# Allegro board RK3588S_Tablet_Demo_LP4XD200P232SD10H2_V11_20220218.brd (continued)
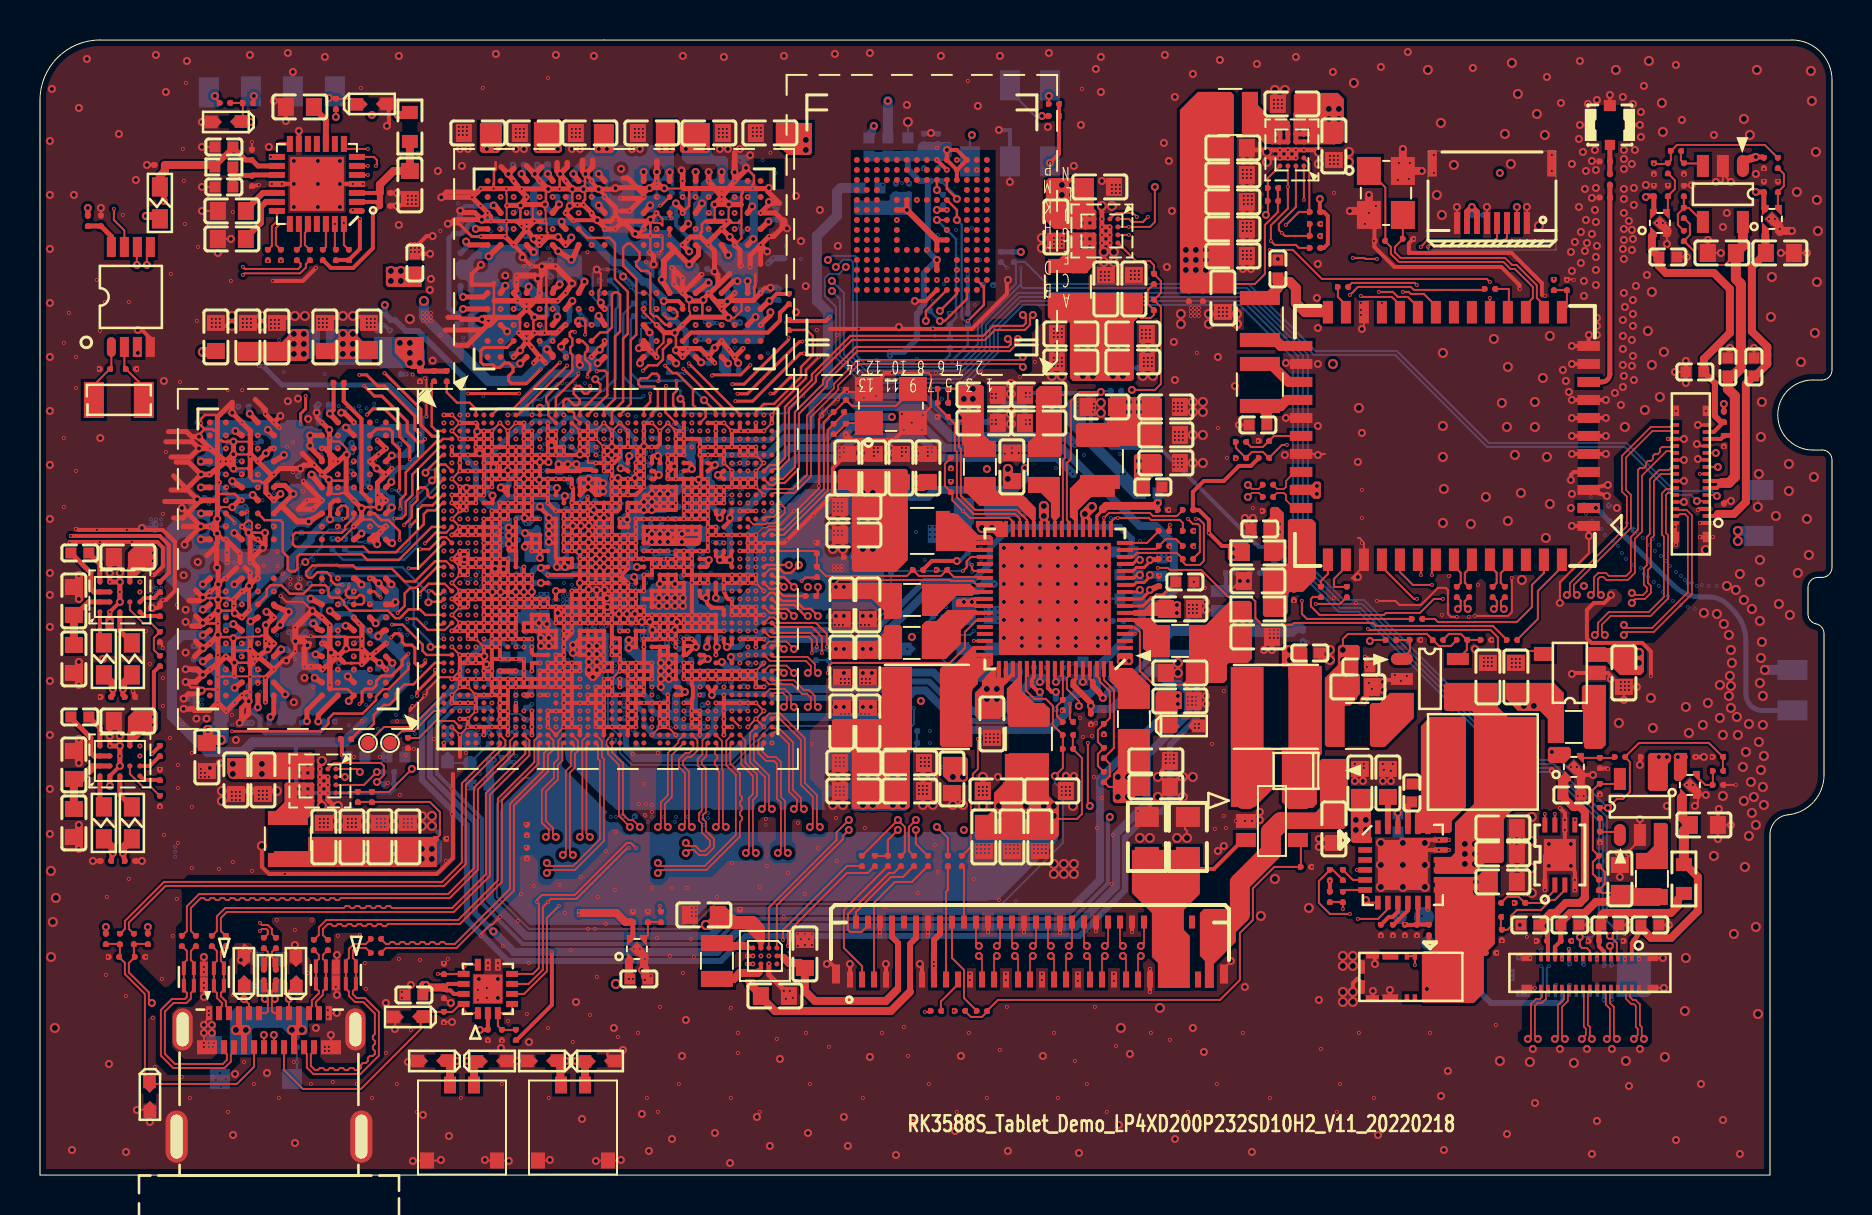
[diagram p0: board, top side]
## Routing (per net, layer and track width the routed paths; a pad name or vN(x,y) marks a point on that pad's centre or on a via; arc(x,y) is an arc through that point) (continued)
  TOP w0.203: v6(20.99,24.8) v6(21.39,24.8) 21.46,24.8 ; v6(20.99,24.8) v1(20.59,24.8) ; v6(20.99,24.8) v1(20.99,25.2) 20.99,25.56 ; v6(20.99,24.8) v6(20.99,24.4) v1(21.39,24.4) 21.39,24.74 21.46,24.8 ; v6(21.39,27.2) v6(20.99,27.2) ; v6(21.39,27.2) 21.39,26.81 v1(21.4,26.81) 21.79,26.81 ; v6(21.39,27.2) v6(21.39,27.6) ; v6(21.39,27.2) v6(21.79,27.2) ; v6(20.99,27.2) v6(20.59,27.2) ; v6(20.99,27.2) v6(20.99,27.6) v6(21.39,27.6) ; 22.99,35.2 22.59,35.2 ; 22.99,35.2 23.39,35.2 ; 22.99,35.2 v1(22.99,34.8) ; 22.99,35.2 v1(22.99,35.6) ; 22.99,35.2 23.01,35.21 ; 22.59,35.2 22.2,35.2 ; 22.59,35.2 v1(22.59,34.8) ; 22.59,35.2 22.59,35.6 ; 28.59,32.8 28.59,32.8 28.19,32.8 ; 28.59,32.8 28.59,32.42 ; 28.59,32.8 v6(28.59,33.2) ; v1(28.59,32) v1(28.19,32) ; v1(28.59,32) 28.6,32 28.6,31.6 ; v1(28.59,32) v6(28.99,32) ; v1(28.59,32) 28.59,32.42 ; v1(28.19,32) v1(27.79,32) ; v1(28.19,32) v6(28.19,31.6) ; v1(28.19,32) v6(28.19,32.4) ; v6(26.99,31.6) 26.97,31.58 v5(26.97,31.17) ; v6(26.99,31.6) v6(26.59,31.6) ; v6(26.99,31.6) v1(26.99,32) ; v6(26.99,31.6) 27.4,31.6 ; v1(28.19,28) 28.19,28.4 ; v1(28.19,28) v1(28.55,28) 28.59,28.05 ; v1(28.19,28) v1(28.19,27.6) ; v1(28.19,28) v6(27.79,28) ; 28.19,28.4 28.19,28.8 ; 28.19,28.4 v1(27.79,28.4) ; 28.19,28.4 28.37,28.4 v5(28.37,28.41) 28.37,28.4 U1000.AE22 ; v1(29.79,28.4) 29.82,28.38 29.82,28.05 29.79,28.05 ; v1(29.79,28.4) v1(30.19,28.4) v6(30.19,28) ; v1(29.79,28.4) v1(29.39,28.4) ; v1(29.79,28.4) v6(29.79,28.8) ; v6(28.59,29.6) v6(28.59,29.2) ; v6(28.59,29.6) v1(28.19,29.6) ; v6(28.59,29.6) v6(28.59,30) ; v6(28.59,29.6) v1(28.99,29.6) ; v6(28.59,29.2) v6(28.99,29.2) ; v6(28.59,29.2) U1000.AD22 ; v6(28.59,29.2) 28.28,29.2 v5(28.24,29.25) ; v6(28.99,34.4) 28.99,34.64 28.9,34.73 28.89,34.8 ; v6(28.99,34.4) v6(28.59,34.4) ; v6(28.99,34.4) 29.33,34.4 ; v6(28.99,34.4) v6(28.99,34) ; v6(28.99,27.6) v1(28.59,27.6) ; v6(28.99,27.6) v6(29.39,27.6) ; v6(28.99,27.6) 28.99,28.04 29,28.05 28.99,28.05 ; v1(28.59,27.6) 28.59,28.05 ; v1(28.59,27.6) 28.59,26.88 ; v1(28.59,27.6) v1(28.19,27.6) ; v1(28.99,26) v6(28.59,26) v6(28.59,26.4) ; v1(28.99,26) v1(28.99,25.6) v1(28.99,25.2) ; v1(28.99,26) 28.99,26.4 ; v5(23.79,29.15) 23.72,29.14 ; v5(23.79,29.15) 23.71,29.24 23.79,29.32 v1(23.79,29.6) ; v5(23.79,29.15) 23.67,29.19 23.63,29.15 23.39,29.15 ; 23.72,29.14 23.79,29.07 v1(23.79,28.8) ; 23.72,29.14 24.08,29.14 ; v6(27.39,37.6) v6(27.39,37.2) ; v6(27.39,37.2) v6(26.99,37.2) v6(26.99,36.8) ; v6(27.39,37.2) v6(27.39,36.8) ; v6(27.39,37.2) v1(27.79,37.2) 27.79,36.88 27.72,36.8 v6(27.39,36.8) ; v1(22.99,28.8) 22.59,28.8 ; v1(22.99,28.8) 22.99,29.12 ; v1(22.99,28.8) v1(22.99,28.4) ; v1(22.99,28.8) v1(23.39,28.8) ; 22.59,28.8 22.59,29.12 ; 22.59,28.8 v1(22.59,28.4) ; 22.59,28.8 v1(22.19,28.8) ; v1(28.19,36) 28.57,36 v5(28.57,36) ; v1(28.19,36) v1(28.19,35.6) ; v1(28.19,36) v1(28.19,36.4) 28.59,36.4 ; v6(28.19,22.4) v6(28.19,22.8) ; v6(28.19,22.4) v6(28.59,22.4) v1(28.99,22.4) v6(29.39,22.4) ; v6(28.19,22.4) v6(27.79,22.4) v6(27.79,22.8) ; v6(28.19,22.4) U1000.BA21 ; v6(28.19,22.8) v6(27.79,22.8) ; v6(28.19,22.8) v6(28.19,23.2) ; 24.6,35.2 24.98,35.2 24.99,35.21 ; 24.6,35.2 v1(24.59,35.2) v1(24.19,35.2) ; 24.6,35.2 24.6,35.61 ; 24.6,35.2 24.6,34.8 ; 22.59,36.4 v1(22.59,36.4) v1(22.59,36.8) ; 22.59,36.4 v1(22.59,36) ; 22.59,36.4 22.19,36.4 ; v6(33.39,31.2) v9(32.99,31.2) v1(32.59,31.2) ; v6(33.79,37.6) v6(33.79,37.2) 33.8,37.2 v1(33.8,36.82) 33.79,36.82 v6(33.79,36.4) ; v6(33.79,37.6) v6(34.19,37.6) ; v6(33.79,37.6) U1000.B34 ; v6(24.59,22) v6(24.59,22.4) U1000.AW12 v1(24.59,23.2) ; 32.13,27.2 31.79,27.2 ; 32.13,27.2 32.19,27.27 v1(32.19,27.6) ; 32.13,27.2 32.64,27.2 ; 31.79,27.2 v1(31.79,26.8) ; 31.79,27.2 U1000.AH29 ; 31.79,27.2 v5(31.74,27.25) 31.79,27.25 ; 31.79,27.2 31.82,27.23 31.79,27.25 ; 31.79,27.2 31.79,27.25 ; v1(24.2,35.6) v1(23.79,35.6) ; v1(24.2,35.6) v6(24.59,35.6) 24.6,35.61 ; v1(24.2,35.6) 24.2,35.21 v1(24.19,35.2) ; v1(24.2,35.6) v6(24.2,36.03) ; v1(23.79,35.6) v1(23.39,35.6) ; v1(23.79,35.6) 23.79,35.2 ; v1(23.79,35.6) v1(23.79,36) ; v6(26.99,32.8) 26.99,32.45 27.02,32.42 ; v6(26.99,32.8) v1(26.99,33.2) ; v6(26.99,32.8) v6(26.59,32.8) ; v6(26.99,32.8) v6(27.39,32.8) ; v6(32.99,33.2) v6(32.99,33.6) ; v6(32.99,33.2) v6(32.99,32.8) ; v6(32.99,33.2) v6(33.39,33.2) v1(33.39,33.6) ; v6(32.99,33.6) v1(33.39,33.6) ; v6(32.99,33.6) v1(32.99,34) ; v6(29.39,27.6) v1(29.79,27.6) ; v6(29.39,27.6) 29.39,28.01 29.41,28.03 ; v1(22.19,28.8) U1000.AD5 ; v1(22.19,28.8) v6(22.19,28.4) ; v1(22.19,28.8) v6(22.19,29.2) ; U1000.AD5 v6(21.79,29.2) ; U1000.AD5 v6(21.78,28.79) v6(21.41,28.79) ; v1(32.59,34.4) v6(32.59,34) v1(32.99,34) ; v1(32.59,34.4) v6(32.19,34.4) 32.19,34.79 32.18,34.8 ; v1(32.59,34.4) v1(32.99,34.4) ; v1(22.59,36) 22.59,35.6 ; v1(22.59,36) 22.19,36 ; v1(22.59,36) v1(22.99,36) ; v6(21.79,30.8) 22.19,30.8 ; v6(21.79,30.8) 21.39,30.8 ; v6(21.79,30.8) v1(21.79,30.4) ; 22.19,30.8 v6(22.19,30.4) ; 22.19,30.8 v6(22.59,30.8) ; 22.19,30.8 22.22,30.77 ; 22.19,30.8 v6(22.19,31.2) ; v5(24.96,34.76) 24.99,34.79 ; v5(24.96,34.76) 24.92,34.8 24.6,34.8 ; v5(24.96,34.76) 24.99,34.73 v1(24.99,34.4) ; 24.99,34.79 25,34.8 v1(25.39,34.8) ; 24.99,34.79 24.99,35.21 ; v1(28.59,35.2) v6(28.19,35.2) v1(28.19,35.6) ; v1(28.59,35.2) v1(28.59,34.8) ; v1(28.59,35.2) v1(28.59,35.6) ; v6(29.39,36.4) v1(29.79,36.4) ; v6(29.39,36.4) 29.39,36.46 ; v6(29.39,36.4) 29.33,36.4 ; v1(29.79,36.4) 29.87,36.33 v6(29.87,35.98) ; v1(29.79,36.4) 30.17,36.4 30.19,36.43 ; 30.58,27.64 30.59,27.6 ; 30.58,27.64 30.58,27.6 ; 30.58,27.64 v5(30.49,27.65) 30.58,27.6 ; 30.59,27.6 v6(30.99,27.6) ; 30.59,27.6 v6(30.59,28) ; 30.59,27.6 30.59,27.27 ; 30.59,27.6 30.58,27.6 ; v6(33.39,32.8) v6(32.99,32.8) ; v6(32.99,32.8) v1(32.59,32.8) v1(32.19,32.8) v1(31.79,32.8) v1(31.39,32.8) v1(30.99,32.8) v1(30.59,32.8) v1(30.19,32.8) v1(29.79,32.8) v6(29.79,32.4) v1(29.79,32) ; v6(22.19,28.4) v1(22.19,28) ; v6(22.19,28.4) v1(22.59,28.4) ; v1(33.79,25.2) v1(33.79,24.8) v1(33.39,24.8) v1(33.39,25.2) v1(33.79,25.2) ; v1(33.79,25.2) v6(34.59,25.2) ; 24.59,29.24 24.58,29.24 24.54,29.2 ; 24.59,29.24 v5(24.59,29.15) ; 24.59,29.24 v1(24.59,29.6) ; 24.59,29.24 24.59,29.03 24.53,29.09 ; 30.19,36.43 v6(30.19,36.8) v6(30.19,37.2) v6(30.19,37.6) v1(30.59,37.6) ; 30.19,36.43 v6(30.19,35.98) ; 30.19,36.43 v5(30.2,36.43) 30.23,36.4 v1(30.59,36.4) 30.84,36.4 30.99,36.55 v6(30.99,37.2) ; v1(25.39,36) v1(24.99,36) ; v1(25.39,36) 25.39,35.67 v5(25.42,35.65) v5(24.99,35.65) ; v1(25.39,36) v1(25.79,36) ; v1(25.39,36) 25.39,36.66 ; v1(24.99,36) 24.99,36 v5(24.99,35.65) ; v1(24.99,36) 24.6,36 ; v1(28.99,36.4) 28.59,36.4 ; v1(28.99,36.4) 29.33,36.4 ; v1(28.99,36.4) v1(28.99,36) ; 28.59,36.4 28.59,36 ; 28.59,36.4 v1(28.59,36.8) v6(28.59,37.2) ; 28.59,36.4 v5(28.6,36.41) ; 22.59,24.42 22.61,24.4 22.99,24.4 ; 22.59,24.42 v6(22.59,24) v1(22.99,24) ; 22.59,24.42 v1(22.59,24.8) v1(22.99,24.8) ; 21.02,33.6 20.99,33.58 v1(20.99,33.24) v2(21.33,33.24) v6(21.33,33.61) ; 21.02,33.6 v6(21.03,33.61) ; 21.02,33.6 v6(20.59,33.6) ; v1(34.59,29.6) v6(34.19,29.6) ; v6(28.19,31.6) v6(28.59,31.6) 28.6,31.6 ; v6(28.19,31.6) 28.19,31.23 v5(28.19,31.23) ; v6(28.19,31.6) v6(27.79,31.6) ; v1(26.19,24.8) 26.19,25.2 ; v1(26.19,24.8) v1(25.79,24.8) ; v1(26.19,24.8) v1(26.19,24.4) ; 26.19,25.2 v1(26.19,25.6) ; 26.19,25.2 v1(25.79,25.2) ; 26.19,25.2 v1(26.59,25.2) ; v1(32.59,28) v6(32.19,28) ; v1(32.59,28) v1(32.59,27.6) ; v1(32.59,28) v1(32.99,28) ; v6(32.19,28) v6(31.79,28) ; v6(32.19,28) v1(32.19,27.6) ; v6(22.19,37.2) v6(22.59,37.2) v1(22.59,36.8) ; v6(22.19,37.2) 21.89,37.2 v5(21.86,37.18) ; v6(22.19,37.2) v1(22.19,36.8) 22.19,36.8 ; v5(26.97,31.17) 26.99,31.15 v1(26.99,30.8) ; v5(26.97,31.17) 27,31.2 v6(27.39,31.2) ; v5(26.97,31.17) 26.94,31.2 v6(26.59,31.2) v6(26.59,31.6) ; v6(31.79,28) 31.79,27.62 ; v6(31.79,28) v6(31.39,28) ; 24.19,33.6 v1(24.19,34) ; 24.19,33.6 v1(23.79,33.6) ; 24.19,33.6 v1(24.59,33.6) ; 24.19,33.6 v1(24.19,33.2) ; v1(24.19,34) v1(24.19,34.4) ; v1(24.19,34) v1(24.59,34) 24.6,34 ; v1(24.19,34) v1(23.79,34) ; v6(29.39,34) 29.39,34.15 ; v6(29.39,34) v6(28.99,34) ; v6(29.39,34) 29.79,34 v6(30.19,34.4) ; 29.39,34.15 29.34,34.15 29.39,34.16 29.36,34.38 ; 29.39,34.15 29.39,34.4 ; 28.59,28.05 28.6,28.05 ; 30.83,49.7 31.16,49.37 ; 30.83,49.7 v6(30.83,49.7) ; 30.83,49.7 30.5,49.37 ; 30.83,49.7 v6(30.83,49.7) ; 30.83,49.7 v6(30.83,49.7) ; v6(28.19,23.6) v6(28.19,24) ; v6(28.19,23.6) 27.79,23.6 ; v6(28.19,23.6) v6(28.19,23.2) ; v6(28.19,24) v6(28.59,24) ; v6(28.19,24) v6(28.19,24.4) ; v6(28.19,24) U1000.AT20 ; v1(31.39,26.8) v1(31.39,27.18) U1000.AH29 ; v1(31.39,26.8) v1(31.79,26.8) ; v1(31.39,26.8) v1(30.99,26.8) ; 23.39,30.08 v5(23.18,30.29) ; 23.39,30.08 v6(23.39,30.8) v6(22.99,30.8) ; 23.39,30.08 v1(23.39,30) ; v5(23.18,30.29) 23.07,30.4 22.99,30.4 ; v5(23.18,30.29) 22.99,30.11 ; v5(27.79,30.8) 27.79,31.22 v5(27.78,31.23) ; v5(27.79,30.8) v5(27.79,30.4) ; v5(27.79,30.8) v1(27.39,30.8) ; v5(27.79,30.8) v5(28.19,30.8) ; v6(27.66,33.59) 27.68,33.56 v5(27.68,33.26) ; v6(27.66,33.59) 27.67,33.6 U1000.M21 ; v6(27.66,33.59) 27.41,33.59 v6(27.39,33.6) ; v6(36.59,38) v6(36.59,37.6) ; v1(30.19,35.6) v1(29.79,35.6) ; v1(30.19,35.6) v6(30.19,35.21) ; v1(30.19,35.6) v6(30.19,35.98) ; v1(29.79,35.6) 29.87,35.68 v6(29.87,35.98) ; v1(29.79,35.6) v1(29.79,35.2) ; v6(10.51,24.15) v6(10.51,24.91) 10.51,25.42 ; v6(10.51,24.15) 10.51,23.77 v5(10.43,23.69) 10.38,23.69 v1(10.09,23.98) 10.26,24.15 v6(10.51,24.15) ; 29.41,28.03 29.39,28.05 ; 29.41,28.03 29.44,28 29.79,28 29.79,28.05 ; 29.41,28.03 v5(29.34,28.05) 29.39,28.05 ; 29.39,28.05 v1(29.39,28.4) ; 29.39,28.05 29.39,28.03 29.03,28.03 29,28.05 28.99,28.05 ; 21.84,34.41 v6(21.79,34.36) v1(21.79,34) ; 21.84,34.41 v1(20.99,34.41) ; 21.84,34.41 22.2,34.41 ; 29.33,34.4 29.36,34.38 ; 29.33,34.4 29.39,34.4 ; 29.36,34.38 29.39,34.4 ; v6(21.39,32) 21.39,32.01 ; 21.39,32.01 20.99,32.01 ; 21.39,32.01 21.79,32.01 ; 21.39,32.01 v1(21.39,32.4) ; 31.79,27.25 31.82,27.25 31.82,27.64 ; 31.79,27.25 31.79,27.62 ; v1(23.39,36) v1(23.39,35.6) ; v1(23.39,36) v1(22.99,36) ; v1(23.39,36) 23.39,36.4 ; v1(23.39,36) v1(23.79,36) ; v1(23.39,35.6) v1(22.99,35.6) ; v1(23.39,35.6) 23.39,35.2 ; v1(29.39,30.8) 29.69,30.8 29.7,30.81 29.79,30.81 ; v1(29.39,30.8) v1(29.39,30.4) ; v1(29.39,30.8) v6(28.99,30.8) ; v1(29.39,30.8) v6(29.39,31.2) ; v1(32.99,36.4) 32.99,36.76 32.96,36.8 U1000.D32 v6(32.19,36.8) ; v1(32.99,36.4) v3(33.39,36.4) v6(33.79,36.4) ; v1(32.99,36.4) v1(32.99,36) v1(33.39,36) v1(33.79,36) ; v5(29.74,34.85) 29.77,34.83 ; v5(29.74,34.85) 29.79,34.86 ; v5(29.74,34.85) 29.77,34.83 ; 29.77,34.83 29.79,34.8 ; 29.77,34.83 29.74,34.8 ; v1(21.79,36.4) 22.19,36.4 ; v1(21.79,36.4) 21.79,36.08 21.71,36 ; v1(21.79,36.4) 21.79,36.8 ; 22.19,36.4 22.19,36 ; 22.19,36.4 v1(22.19,36.4) 22.19,36.8 ; v6(35.79,37.6) 35.79,37.22 35.81,37.2 ; v1(22.99,32.8) v6(23.39,32.8) ; v1(22.99,32.8) v1(22.59,32.8) ; v1(22.99,32.8) v1(22.99,33.2) ; v1(22.99,32.8) v1(22.99,32.4) ; v6(23.39,22.8) v6(23.39,23.2) v1(22.99,23.2) ; v6(23.39,22.8) v1(23.39,22.4) ; v6(23.39,22.8) v6(22.99,22.8) ; v1(34.19,34.4) v1(34.59,34.4) ; v1(34.19,34.4) v1(34.19,34) ; v1(34.19,34.4) v1(33.79,34.4) ; v1(34.59,34.4) v1(34.59,34.8) ; v1(34.59,34.4) v6(34.99,34.4) ; 29.79,30.81 30.19,30.81 v6(30.19,30.8) 30.6,30.8 ; 29.79,30.81 v1(29.79,30.8) ; 29.79,30.81 29.79,30.81 ; 29.79,30.81 v6(29.79,31.2) ; 21.39,30.8 v6(21.39,30.4) ; 21.39,30.8 v6(21.39,31.21) 21.39,31.2 v6(20.99,31.2) 20.99,30.8 ; 21.39,30.8 21.25,30.8 21.23,30.78 v5(21.21,30.78) 21.19,30.8 20.99,30.8 ; v6(21.39,30.4) 21,30.4 v6(20.99,30.4) ; v6(21.39,30.4) v1(21.79,30.4) ; v6(21.39,30.4) v1(21.39,30) v1(20.99,30) v6(20.99,30.4) ; v6(30.99,27.6) v1(30.99,27.2) ; v6(30.99,27.6) v6(30.99,28) ; v6(30.99,27.6) v6(31.39,27.6) ; v1(22.99,24.8) v8(23.39,24.8) ; v1(22.99,24.8) 22.99,24.4 ; v8(23.39,24.8) v6(23.39,24.4) ; v8(23.39,24.8) v8(23.79,24.8) ; 28.59,36 v1(28.99,36) ; 28.59,36 28.57,36 v5(28.57,36) ; 28.59,36 v1(28.59,35.6) ; 28.59,36 v5(28.57,36) ; v1(28.99,36) 28.99,35.89 28.71,35.6 v1(28.59,35.6) ; v1(33.39,34.4) v1(33.79,34.4) ; v1(33.39,34.4) v1(33.39,34.8) 32.97,34.8 ; v1(33.39,34.4) v1(32.99,34.4) ; v1(33.39,34.4) v1(33.39,34) ; v1(33.79,34.4) v1(33.79,34) ; v1(31.79,26.8) v1(31.79,26.43) ; v6(28.99,28.8) U1000.AD22 ; v6(28.99,28.8) v6(29.39,28.8) ; v6(28.99,28.8) v6(28.99,29.2) ; v6(28.99,28.8) v6(28.99,28.4) ; U1000.AD22 28.38,28.8 v5(28.34,28.84) ; U1000.AD22 U1000.AE22 ; v6(32.99,22.8) v6(32.99,23.2) v1(32.59,23.2) v6(32.59,22.8) ; v1(25.39,34.8) v1(25.79,34.8) v1(26.19,34.8) 26.57,34.8 26.59,34.78 v1(26.59,34.4) 26.65,34.35 26.65,33.8 26.59,33.74 v6(26.59,33.6) ; v1(25.39,34.8) v1(25.39,34.4) ; v1(23.79,29.6) v1(23.39,29.6) ; v1(23.79,29.6) v1(24.19,29.6) ; v1(23.79,29.6) v1(23.79,30) ; v1(28.59,34.8) v6(28.59,34.4) ; v1(28.59,34.8) 28.89,34.8 ; 8.5,32.43 v6(8.49,32.43) 8.5,32.43 ; 8.5,32.43 8.83,32.76 ; 8.5,32.43 8.83,32.1 ; 21.39,25.61 U1000.AL4 ; 21.39,25.61 v1(21.4,25.61) ; 21.39,25.61 U1000.AM4 v1(21.79,25.6) ; 21.39,25.61 21.04,25.61 20.99,25.56 ; U1000.AL4 v6(20.99,26) 20.99,25.56 ; U1000.AL4 v1(21.79,26) ; v6(21.79,27.6) v6(21.79,27.2) ; v6(21.79,27.6) v1(22.19,27.6) ; v6(21.79,27.6) v6(21.39,27.6) ; v6(21.79,27.2) v1(22.22,27.2) 22.19,27.23 v1(22.19,27.6) ; v6(21.79,27.2) 21.79,26.81 ; v5(27.44,32.45) 27.43,32.44 ; v5(27.44,32.45) 27.44,32.45 27.43,32.44 ; v5(27.44,32.45) 27.43,32.45 27.43,32.77 v6(27.39,32.8) ; v5(27.44,32.45) 27.47,32.43 27.46,32.42 27.47,32.4 v1(27.79,32.4) ; 27.43,32.44 27.05,32.44 v5(27.04,32.45) ; 27.43,32.44 v5(27.43,32.04) ; v6(30.19,35.21) 30.18,35.2 v1(29.79,35.2) ; v6(30.19,35.21) v6(30.19,34.8) ; 31.79,27.62 31.78,27.6 v6(31.39,27.6) ; 31.79,27.62 31.81,27.63 v5(31.84,27.65) 31.82,27.64 ; v1(24.19,35.2) 23.79,35.2 ; v1(24.19,35.2) v5(24.19,34.8) ; 28.99,28.05 28.99,28.05 28.6,28.05 ; 28.99,28.05 v5(28.94,28.05) ; 28.99,28.05 29,28.05 29,28.39 v6(28.99,28.4) ; v1(28.59,35.6) v1(28.19,35.6) ; 11.14,31.53 v6(10.89,31.78) 10.78,31.78 10.51,32.05 ; v1(22.19,35.6) 22.19,36 ; v1(22.19,35.6) 22.59,35.6 ; v1(22.19,35.6) 22.2,35.6 22.2,35.2 ; 22.19,36 21.71,36 ; 21.79,32.01 v6(21.79,32) ; 21.79,32.01 v1(21.79,32.4) ; 21.79,32.01 22.19,32.01 ; v1(25.39,25.2) v1(24.99,25.2) 24.99,24.8 25.39,24.8 ; v1(25.39,25.2) 25.39,24.8 ; v1(25.39,25.2) v1(25.39,25.6) v6(25.79,25.6) ; v1(25.39,25.2) v1(25.79,25.2) ; 28.99,26.4 28.99,26.83 28.64,26.83 28.59,26.88 ; 28.99,26.4 v6(28.59,26.4) ; v1(32.99,34.4) 32.99,34.71 v5(32.93,34.77) ; v1(32.99,34.4) v1(32.99,34) ; v1(20.59,30.8) 20.99,30.8 ; 20.99,30.8 U1000.Y3 v6(20.99,30.4) ; v6(27.79,22.8) v6(27.79,23.2) ; 28.19,32.8 v6(28.19,32.4) ; 28.19,32.8 28.19,32.85 v5(28.19,32.85) ; 28.19,32.8 27.79,32.8 ; 29.79,34.8 v1(29.79,34.4) ; 29.79,34.8 29.79,34.86 ; 29.79,34.8 29.74,34.8 ; 29.79,34.8 29.77,34.83 ; 29.79,34.8 v6(30.19,34.8) ; v1(29.79,34.4) v6(30.19,34.4) ; v1(29.79,34.4) 29.39,34.4 ; v1(25.79,28.4) 25.79,28.16 25.87,28.08 ; 28.89,34.8 28.87,34.81 v5(28.89,34.85) ; 28.89,34.8 v6(29.39,34.8) ; v6(29.79,28.8) v6(29.39,28.8) ; v6(29.79,28.8) v6(29.79,29.2) ; v6(29.39,28.8) v1(29.39,28.4) ; v6(29.39,28.8) v6(29.39,29.2) ; v1(34.19,34) v1(34.19,33.6) v1(33.79,33.6) ; v1(34.19,34) v1(33.79,34) ; v1(24.6,32.8) 24.28,32.8 v5(24.23,32.85) 24.19,32.89 v1(24.19,33.2) ; v1(24.6,32.8) 24.6,34 ; v1(24.6,32.8) v1(25,32.8) ; v1(26.99,33.2) 27.36,33.2 v1(27.38,33.18) ; v1(26.99,33.2) v6(26.99,33.6) ; v1(26.99,33.2) v1(26.59,33.2) ; v1(22.99,36) v1(22.99,35.6) ; v5(31.71,35.43) 31.53,35.6 v1(31.39,35.6) ; v5(31.71,35.43) 31.79,35.51 v6(31.79,36) ; v5(31.71,35.43) 31.69,35.41 ; v5(31.71,35.43) 31.79,35.34 ; v5(31.71,35.43) 31.69,35.4 ; 22.59,29.18 22.57,29.2 v6(22.19,29.2) ; 22.59,29.18 v1(22.59,29.6) ; 22.59,29.18 22.59,29.12 ; 22.59,29.18 v5(22.62,29.15) ; v5(25.09,45.43) v1(24.58,45.43) v5(24.13,45.89) 24.13,46.06 v6(23.68,46.5) ; v5(28.19,32.85) 28.19,32.85 v6(28.19,33.2) ; v5(28.19,32.85) v5(27.78,32.85) ; v6(34.19,36.4) v1(34.59,36.4) ; v1(26.19,25.6) v1(26.19,26) ; v1(26.19,25.6) v6(25.79,25.6) ; v1(26.19,25.6) v1(26.59,25.6) ; v6(27.39,23.6) v6(26.99,23.6) ; v6(27.39,23.6) 27.79,23.6 ; v6(27.39,23.6) v6(27.39,24) U1000.AT20 ; v6(27.79,28.8) v6(27.39,28.8) ; v6(27.79,28.8) 28.19,28.8 ; v6(27.79,28.8) v1(27.79,28.4) ; v6(27.79,28.8) 27.83,28.84 v5(27.83,29.25) ; v6(27.39,28.8) 27.39,29.23 ; v6(27.39,28.8) v1(27.39,28.4) ; v5(24.59,29.15) 24.53,29.09 ; v5(24.59,29.15) 24.48,29.14 ; v5(24.59,29.15) 24.54,29.2 ; v6(27.39,32.8) 27.44,32.85 v5(27.78,32.85) ; v6(27.39,32.8) 27.39,33.17 v1(27.38,33.18) ; v6(27.39,32.8) 27.79,32.8 ; 29.79,30.81 v1(29.79,30.8) ; 29.79,30.81 v1(29.79,30.8) ; v1(23.39,28.4) v1(23.79,28.4) ; v1(23.39,28.4) v1(22.99,28.4) ; v1(23.39,28.4) v1(23.39,28.8) ; v1(23.39,28.4) v1(23.39,28) ; v1(23.79,28.4) v1(23.79,28) v1(23.39,28) ; v1(23.79,28.4) v1(23.79,28.8) ; v1(23.79,28.4) v1(24.19,28.4) ; 29.39,34.4 v6(29.39,34.8) ; v6(28.99,29.2) v1(28.99,29.6) ; v6(28.99,29.2) v6(29.39,29.2) ; v1(21.79,34) v6(21.79,33.6) 21.78,33.61 v6(21.33,33.61) ; v1(21.79,34) 21.33,34 ; v1(21.79,34) U1000.L6 ; v1(25.79,36.8) v1(25.79,37.18) U1000.C15 v1(25.39,37.2) ; v1(25.79,36.8) v1(25.39,36.8) ; v1(25.79,36.8) 25.79,36.7 ; v1(32.99,28) v6(33.39,28) ; v1(32.99,28) v1(32.99,27.6) ; v6(33.39,28) U1000.AF35 ; v6(33.39,28) v6(33.39,27.6) ; v1(22.99,35.6) 22.59,35.6 ; v1(24.99,34.4) 24.6,34.4 ; v1(24.99,34.4) v1(24.99,34) ; v1(24.99,34.4) v1(25.39,34.4) ; 24.6,34.4 24.6,34.8 ; 24.6,34.4 v1(24.59,34.4) v1(24.19,34.4) ; 24.6,34.4 24.6,34 ; v5(8.14,28.87) 8.45,29.18 v1(8.49,29.18) 8.55,29.18 v5(8.91,29.53) 9.2,29.83 v1(9.29,29.83) ; v6(28.19,24.4) v6(27.79,24.4) U1000.AT20 ; v6(28.19,24.4) v1(28.59,24.4) ; v6(28.19,24.4) v1(28.19,24.8) v1(28.59,24.8) v1(28.59,24.4) ; v1(22.99,31.6) v1(22.99,31.2) ; v1(22.99,31.6) 22.99,32.04 ; v1(22.99,31.6) v6(22.59,31.6) ; v1(22.99,31.2) v6(22.99,30.8) ; v1(22.99,31.2) v6(22.59,31.2) ; 30.58,27.6 30.06,27.6 ; 30.58,27.6 30.58,27.29 30.59,27.27 ; 30.06,27.6 30.1,27.65 v5(30.09,27.65) 30.12,27.67 30.19,27.74 v6(30.19,28) ; 30.06,27.6 v1(29.79,27.6) ; v1(29.79,31.6) v1(29.79,32) ; v1(29.79,31.6) v6(29.39,31.6) ; v1(29.79,31.6) v6(29.79,31.2) ; v1(29.79,32) v1(29.39,32) ; 25.87,28.08 v5(25.89,28.1) 25.87,28.08 ; 25.87,28.08 25.79,28 v1(25.79,27.6) v1(26.19,27.6) ; 25.87,28.08 25.95,28 v6(26.19,28) ; 27.39,29.23 27.36,29.2 v1(26.99,29.2) ; 27.39,29.23 v5(27.43,29.27) ; v1(25.79,36) 25.79,36.4 ; v1(25.79,36) v1(26.19,36) ; 25.79,36.4 25.79,36.7 ; 25.79,36.4 v6(26.19,36.4) v1(26.19,36) ; 25.79,36.4 25.66,36.4 v5(25.57,36.48) ; v5(23.03,29.15) 22.99,29.15 ; v5(23.03,29.15) 23.39,29.15 ; v5(23.03,29.15) 22.99,29.12 ; 22.99,29.15 22.99,29.12 ; 22.99,29.15 v5(22.62,29.15) ; 22.99,29.15 v1(22.99,29.6) ; U1000.E30 v6(31.79,36) ; U1000.E30 v1(32.19,36.4) ; U1000.E30 v6(31.79,36.8) ; v6(31.79,36) v1(31.39,36) v1(31.39,35.6) ; v6(31.79,36) v1(32.19,36) v1(32.19,36.4) ; v1(25.39,37.2) v6(25.39,37.6) ; v1(25.39,37.2) v1(25.39,36.8) ; 27.4,31.6 v5(27.43,31.63) v5(27.43,32.04) ; 27.4,31.6 v6(27.79,31.6) ; 27.4,31.6 27.39,31.6 v6(27.39,31.2) ; 28.19,28.8 28.19,29.25 ; 28.19,28.8 28.31,28.8 v5(28.34,28.84) ; 28.19,29.25 v5(27.83,29.25) ; 28.19,29.25 v5(28.24,29.25) ; 28.19,29.25 28.19,29.29 ; v5(24.19,29.15) 24.14,29.21 ; v5(24.19,29.15) 24.13,29.09 ; v5(24.19,29.15) 24.19,29.14 ; v5(24.19,29.15) 24.08,29.14 ; 24.14,29.21 24.08,29.14 ; 24.14,29.21 24.19,29.26 v1(24.19,29.6) ; v1(24.19,34.4) v5(24.19,34.8) ; v1(24.19,34.4) v1(23.79,34.4) ; v6(22.19,30.4) v1(22.19,30) ; v6(22.19,30.4) 22.99,30.4 ; v6(22.19,30.4) v1(21.79,30.4) ; v1(32.19,36.4) v6(32.19,36.8) ; U1000.BA24 v6(29.39,22.4) ; v6(29.39,22.4) v6(29.79,22.4) v6(29.79,22.8) v6(29.79,23.2) ; v6(29.39,22.4) v6(29.39,22.8) v6(29.39,23.2) ; 28.6,28.05 28.59,28.05 U1000.AE22 ; v1(22.59,27.6) v1(22.59,28) ; v1(22.59,27.6) v1(22.99,27.6) ; v1(22.59,27.6) v1(22.19,27.6) ; v1(22.59,28) v1(22.99,28) ; v1(22.59,28) v1(22.19,28) ; v1(22.59,28) v1(22.59,28.4) ; v6(21.79,29.2) v6(21.39,29.2) ; v6(21.79,29.2) v6(22.19,29.2) ; v5(28.34,28.84) 28.24,28.95 v5(28.24,29.25) ; v1(33.39,34) v1(32.99,34) ; v1(33.39,34) v1(33.79,34) ; v1(33.39,34) v1(33.39,33.6) ; v1(23.79,34.8) 23.79,35.2 ; v1(23.79,34.8) v1(23.39,34.8) ; v1(23.79,34.8) v1(23.79,34.4) ; v1(23.79,34.8) v5(24.19,34.8) ; 23.79,35.2 23.39,35.2 ; v1(33.39,33.6) v1(33.79,33.6) ; v1(30.99,27.2) 30.66,27.2 30.63,27.24 30.62,27.24 v5(30.62,27.25) 30.6,27.26 30.59,27.27 ; v1(30.99,27.2) v1(30.99,26.8) ; v1(30.99,27.2) U1000.AH29 ; v6(26.99,33.6) v6(27.39,33.6) ; v6(26.99,33.6) v6(26.59,33.6) ; v6(27.39,33.6) 27.38,33.62 v1(27.38,33.92) ; v6(27.39,33.6) 27.38,33.59 v1(27.38,33.18) ; v1(29.39,28.4) v6(28.99,28.4) ; 24.08,29.14 24.13,29.09 ; 24.08,29.14 24.19,29.14 ; v1(22.59,29.6) v1(22.59,30) ; v1(22.59,29.6) v1(22.99,29.6) ; v1(22.59,29.6) v1(22.19,29.6) ; v1(22.59,30) v1(22.19,30) ; v1(22.59,30) v1(22.99,30) ; v6(24.19,30.4) v1(24.19,30) ; v1(24.19,30) v1(24.59,30) v1(24.59,29.6) ; v1(24.19,30) v1(23.79,30) ; v1(24.19,30) v1(24.19,29.6) ; v6(27.79,31.6) 27.78,31.59 v5(27.78,31.23) ; v6(27.79,31.6) v1(27.79,32) ; v1(23.79,26.8) v1(24.19,26.8) v1(24.59,26.8) ; v1(23.79,26.8) v6(23.79,27.2) v6(23.39,27.2) ; v1(23.79,26.8) v1(23.39,26.8) ; v6(28.59,30.8) v6(28.59,30.4) ; v6(28.59,30.8) 28.59,31.22 v5(28.6,31.23) ; v6(28.59,30.8) v5(28.19,30.8) ; v6(28.59,30.8) v6(28.99,30.8) ; v6(28.59,30.4) v6(28.59,30) ; v6(28.59,30.4) v5(28.19,30.4) ; v6(28.59,30.4) v6(28.99,30.4) ; v1(28.19,29.6) v1(27.79,29.6) v1(27.39,29.6) 27.43,29.57 v5(27.43,29.27) ; v1(28.19,29.6) 28.19,29.29 ; 23.39,36.4 v1(23.39,36.4) v6(23.39,37.2) ; 23.39,36.4 23.79,36.4 v1(23.79,36.4) ; v1(34.99,36.4) v6(34.99,36) v6(35.39,36) ; v1(34.99,36.4) v6(35.39,36.4) ; v1(34.99,36.4) v1(34.59,36.4) ; v1(23.79,37.6) v6(24.19,37.6) v1(24.19,37.2) ; v1(22.59,34.4) 22.59,34.41 ; 22.59,34.41 22.2,34.41 ; 22.59,34.41 22.59,34.41 v1(22.59,34.8) ; v6(30.99,28) v6(31.39,28) ; v6(30.99,28) v6(30.59,28) ; 28.6,31.6 v6(28.99,31.6) ; 28.6,31.6 v5(28.6,31.23) ; v6(28.99,31.6) v6(28.99,31.2) ; v6(28.99,31.6) v6(29.39,31.6) ; v6(28.99,31.6) v6(28.99,32) ; v1(24.19,25.2) v1(24.19,24.8) v8(23.79,24.8) ; 29.79,34.86 29.77,34.83 ; 29.79,34.86 v1(29.79,35.2) ; v1(23.39,29.6) v1(22.99,29.6) ; v1(23.39,29.6) v1(23.39,30) ; v1(23.39,29.6) 23.39,29.15 ; v1(30.59,26.8) 30.59,27.27 ; v1(30.59,26.8) v1(30.19,26.8) v1(30.19,26.4) ; v1(30.59,26.8) v1(30.99,26.8) ; v1(28.59,24.4) v6(28.59,24) ; v6(28.59,24) v1(28.99,24) ; v1(27.38,33.18) 27.45,33.26 v5(27.68,33.26) ; v6(20.59,24) v1(20.59,23.6) v1(20.99,23.6) U1000.AU4 ; 24.99,35.21 v5(24.99,35.65) ; v5(24.99,35.65) 24.64,35.65 24.6,35.61 ; v1(34.59,34.8) 34.59,35.13 ; v1(34.59,34.8) v1(34.99,34.8) ; v5(27.43,32.04) 27.39,32 v1(26.99,32) ; v5(27.43,32.04) 27.46,32 v1(27.79,32) ; 33.02,27.2 32.99,27.23 v1(32.99,27.6) ; 33.02,27.2 33.4,27.2 ; 33.02,27.2 32.64,27.2 ; U1000.B31 32.19,37.25 ; 32.19,37.25 v6(32.19,36.8) ; 32.19,37.25 v6(32.15,37.2) v6(31.79,37.2) v6(31.79,36.8) ; v1(26.19,23.2) v6(26.19,22.8) ; v1(26.19,23.2) 26.59,23.2 v6(26.59,22.8) ; v1(26.19,23.2) v6(26.19,23.6) v1(26.19,24) v1(26.19,24.4) ; v1(26.19,23.2) v6(25.79,23.2) v6(25.39,23.2) v6(25.39,22.8) v6(25.39,22.4) ; v6(26.19,22.8) v6(26.59,22.8) ; v6(26.19,22.8) v6(26.19,22.4) v6(26.59,22.4) ; v1(22.99,27.6) v6(22.99,27.2) ; v1(22.99,27.6) v1(22.99,28) ; v1(22.99,27.6) 23.38,27.6 v1(23.39,27.59) ; v6(22.99,27.2) v1(22.99,26.8) v1(23.39,26.8) ; v6(22.99,27.2) v6(23.39,27.2) ; v1(24.99,34) v1(25.39,34) v1(25.39,34.4) ; v1(24.99,34) 24.6,34 ; v1(32.59,27.6) v1(32.99,27.6) ; v1(32.59,27.6) 32.59,27.25 32.64,27.2 ; v1(32.59,27.6) v1(32.19,27.6) ; v1(27.79,32) v1(27.79,32.4) ; v1(22.99,29.6) v1(22.99,30) ; v1(24.19,29.6) v1(24.59,29.6) ; v6(28.59,34) v6(28.59,34.4) ; v6(28.59,34) v6(28.59,33.6) ; v6(28.59,34) v6(28.99,34) ; v1(22.19,28) v1(22.19,27.6) ; v6(30.52,46.95) v6(31.06,46.95) ; 30.6,30.8 30.59,30.79 v1(30.59,30.4) v1(30.99,30.4) ; 30.6,30.8 30.99,30.8 30.97,30.78 30.99,30.76 v1(30.99,30.4) ; 22.59,29.12 v5(22.62,29.15) ; v6(36.03,44.1) 36.03,44.13 36.27,44.36 v5(36.52,44.36) ; v6(28.19,32.4) 28.58,32.4 28.59,32.42 ; v6(28.19,32.4) v1(27.79,32.4) ; v5(27.79,30.4) v6(27.39,30.4) ; v5(27.79,30.4) v5(28.19,30.4) ; v1(32.99,27.6) v6(33.39,27.6) ; v1(29.79,27.6) 29.79,27.98 29.82,28 29.79,28.05 ; 22.99,24.4 v6(23.39,24.4) ; 22.99,24.4 v1(22.99,24) ; v6(23.39,24.4) 23.39,24 v1(22.99,24) ; v6(23.39,24.4) v6(23.79,24.4) v8(23.79,24.8) ; v5(21.86,37.18) 21.79,37.11 v1(21.79,36.8) 21.79,36.8 ; v5(21.86,37.18) 21.86,37.54 U1000.B5 21.79,37.6 v1(20.99,37.6) ; v1(26.99,30.8) v6(26.99,30.4) v6(27.39,30.4) ; v1(26.99,30.8) v1(27.39,30.8) ; v5(30.53,47.77) 30.83,48.07 U3801.P10 v6(30.81,48.09) ; v6(30.19,34.4) v6(30.19,34.8) ; v6(31.39,28) v6(31.39,27.6) ; U1000.AD3 v6(20.99,29.2) v6(21.39,29.2) ; U1000.AD3 v6(20.59,28.8) ; U1000.AD3 v1(21.01,28.79) v6(21.41,28.79) ; U1000.AD3 20.99,28.39 v1(21,28.38) 21.36,28.38 v6(21.39,28.42) 21.41,28.43 v6(21.41,28.79) ; v6(31.79,36.8) v6(32.19,36.8) ; v1(26.19,24.4) v1(26.99,24.4) ; v1(26.19,24.4) v1(25.79,24.4) ; v1(29.39,30.4) v6(28.99,30.4) ; v1(29.39,30.4) 29.39,30.32 29.08,30 v1(28.99,30) ; 24.53,29.09 24.48,29.14 ; v5(28.19,30.8) v5(28.19,30.4) ; v5(28.19,30.8) 28.19,31.22 v5(28.19,31.23) ; 29.74,34.8 v6(29.39,34.8) ; v6(28.59,33.6) U1000.M21 ; v6(28.59,33.6) v6(28.59,33.2) ; v6(28.59,33.6) v6(28.99,33.6) ; U1000.M21 v6(28.19,33.2) ; v6(22.19,29.2) v1(22.19,29.6) ; v5(29.74,28.05) 29.79,28.05 ; 29.79,28.05 29.82,28 v6(30.19,28) ; 31.69,35.41 31.48,35.2 v1(31.39,35.2) ; 31.69,35.41 31.69,35.4 ; 25.39,24.8 v1(25.79,24.8) ; 25.39,24.8 v1(25.39,24.42) 25.41,24.4 v1(25.79,24.4) ; v1(25.79,24.8) v1(25.79,25.2) ; v1(25.79,24.8) v1(25.79,24.4) ; v6(31.79,34.8) v6(31.39,34.8) v1(31.39,35.2) ; v6(31.79,34.8) 31.79,35.34 ; v6(31.79,34.8) 32.18,34.8 ; v1(25.79,25.2) v6(25.79,25.6) ; v5(25.57,36.48) 25.39,36.66 ; v5(25.57,36.48) 25.79,36.7 ; v1(21.8,26.81) 21.79,26.81 ; 21.79,26.81 U1000.AJ5 ; v6(25.79,25.6) v6(25.79,26) v1(26.19,26) ; v1(26.59,27.6) v1(26.19,27.6) ; v1(26.59,27.6) v1(26.99,27.6) v1(27.39,27.6) ; v1(26.59,27.6) v1(26.59,27.2) ; v1(26.59,27.6) v6(26.59,28) v6(26.19,28) ; v1(26.19,27.6) v1(26.19,27.2) ; v1(26.19,27.6) v6(26.19,28) ; v1(27.39,28.4) v1(27.79,28.4) ; v1(27.39,28.4) v6(27.39,28) ; v5(27.83,29.25) 27.45,29.25 v5(27.43,29.27) ; v1(24.19,37.2) v1(24.19,36.8) ; v1(24.19,37.2) v6(24.59,37.2) 24.6,37.2 24.6,36 ; v1(24.19,36.8) v6(24.59,36.8) ; v1(24.19,36.8) 24.19,36.42 v6(24.2,36.41) ; v6(26.59,32.8) 26.59,32.45 v5(26.64,32.45) 26.61,32.42 ; v6(26.59,32.8) v1(26.59,33.2) ; v1(22.99,33.2) v1(22.99,33.6) v1(23.39,33.6) v1(23.79,33.6) ; v1(22.99,33.2) v1(22.59,33.2) v1(22.59,32.8) ; 24.6,34.8 v1(24.59,34.8) v5(24.19,34.8) ; v1(27.79,27.6) v6(27.79,28) ; v1(27.79,27.6) v1(27.39,27.6) ; v1(27.79,27.6) v1(28.19,27.6) ; v6(27.79,28) v1(27.79,28.4) ; v6(27.79,28) v6(27.39,28) ; 21.79,23.53 U1000.AT5 v1(22.19,24) ; 21.79,23.53 v6(21.72,23.6) v1(21.4,23.6) ; 21.79,23.53 v1(21.79,23.2) ; v6(24.59,36.4) 24.59,36.41 v6(24.2,36.41) ; v5(27.78,31.23) v5(28.19,31.23) ; v5(27.78,31.23) 27.42,31.23 v6(27.39,31.2) ; v1(25.39,36.8) 25.39,36.66 ; v6(33.39,27.6) 33.39,27.21 33.4,27.2 ; v6(33.39,27.6) U1000.AG35 ; v1(22.59,28.4) v1(22.99,28.4) ; v6(27.39,31.2) v1(27.39,30.8) ; v6(11.69,25.28) 12.14,25.72 v5(12.31,25.72) v1(12.77,26.18) v5(12.77,26.69) ; U1000.K3 21,34.4 21,34 ; v6(27.39,30.4) v6(27.39,30) ; v6(27.39,30.4) v1(27.39,30.8) ; v1(32.59,31.2) v1(32.19,31.2) v1(31.79,31.2) ; v1(32.59,31.2) v6(32.59,30.82) v1(32.59,30.4) v1(32.19,30.4) v1(31.79,30.4) v1(31.39,30.4) v1(30.99,30.4) ; 27.79,32.8 v1(27.79,32.4) ; 27.79,32.8 27.79,32.84 v5(27.78,32.85) ; v1(26.99,32) 26.99,32.39 27.02,32.42 ; v1(26.99,32) U1000.T17 ; v1(22.59,34.8) 22.2,34.8 ; v1(22.59,34.8) v1(22.99,34.8) ; v1(21.39,32.4) v6(20.99,32.4) 20.99,32.01 ; v1(21.39,32.4) v1(21.79,32.4) ; v6(30.59,28) v6(30.19,28) ; v6(28.99,30.4) v6(28.99,30.8) ; v6(28.99,30.4) v1(28.99,30) ; 22.2,34.8 22.2,34.41 ; 22.2,34.8 22.2,35.2 ; 22.2,34.8 v1(22.19,34.8) ; 22.2,34.41 v1(22.19,34.4) 22.2,34.4 v6(22.2,33.99) ; v6(31.39,27.6) U1000.AH29 ; 27.02,29.17 v1(26.99,29.2) ; v1(26.99,29.2) v1(26.59,29.2) ; 29.33,36.4 29.39,36.46 ; 31.79,35.34 31.71,35.42 31.69,35.4 ; v1(26.59,33.2) v6(26.59,33.6) ; v6(27.79,23.2) v6(28.19,23.2) ; v6(27.79,23.2) 27.79,23.6 ; v1(26.19,26) v1(26.19,26.4) v1(26.19,26.8) ; v6(28.99,31.2) v6(28.99,30.8) ; v6(28.99,31.2) 28.62,31.2 v5(28.6,31.23) ; v6(28.99,31.2) v6(29.39,31.2) ; v6(27.39,36.4) v1(27.39,36) v1(26.19,36) ; v6(27.39,36.4) v6(26.99,36.4) ; v6(27.39,36.4) v6(27.39,36.8) ; v6(20.99,22.8) v1(21.39,22.8) v6(21.39,22.4) v6(21.79,22.4) ; v1(26.59,27.2) v1(26.19,27.2) ; v1(26.59,27.2) 26.59,27.1 26.29,26.8 v1(26.19,26.8) ; v1(26.19,27.2) v1(26.19,26.8) ; v5(27.04,32.45) 27.02,32.42 ; v5(27.04,32.45) 27.05,32.43 27.02,32.42 ; 27.02,32.42 26.61,32.42 ; v1(33.79,33.6) v1(33.79,34) ; v5(27.78,32.85) 27.78,33.16 27.74,33.2 ; v1(22.99,28.4) v1(22.99,28) ; v6(29.39,31.6) v6(29.39,31.2) ; v6(29.39,31.6) v1(29.39,32) ; v6(29.39,31.2) v6(29.79,31.2) ; v6(26.59,22.4) v6(26.99,22.4) U1000.BA18 ; v6(26.59,22.4) v6(26.59,22.8) ; 24.48,29.14 24.54,29.2 ; 24.48,29.14 24.19,29.14 ; v1(23.79,33.6) v1(23.79,34) ; v1(34.99,32) v1(34.59,32) v6(34.19,32) v1(33.79,32) v1(33.79,32.4) ; v1(23.79,34) v1(23.79,34.4) ; 32.18,34.8 U1000.J31 ; v1(22.19,30) v1(22.19,29.6) ; v1(22.59,32.8) v6(22.19,32.8) 22.19,32.4 ; v1(22.59,32.8) 22.59,32.4 ; v1(21.79,32.4) 22.19,32.4 ; v6(26.59,31.6) U1000.T17 ; 29.39,36.46 v6(29.39,36.79) U1000.C24 ; 26.61,32.42 26.59,32.4 U1000.T17 ; 23.39,35.2 v1(23.39,34.8) ; 23.39,35.2 v5(23.39,35.24) ; 22.2,35.2 v1(22.19,35.2) v1(21.79,35.2) v6(21.39,35.2) v6(20.99,35.2) v6(20.99,35.6) v6(20.99,36) ; 22.99,30.4 v6(22.99,30.8) ; 22.99,30.4 22.99,30.11 ; v1(23.79,36.4) v1(23.79,36) ; v1(23.79,36.4) 24.2,36.4 v6(24.2,36.41) ; v6(27.39,36.8) v6(26.99,36.8) ; v6(28.99,32) v1(29.39,32) ; v6(22.59,30.8) v6(22.59,31.2) ; v6(22.59,30.8) v6(22.99,30.8) ; v6(22.59,31.2) v6(22.59,31.6) ; v6(22.59,31.2) v6(22.19,31.2) ; v6(20.99,36) v6(20.59,36) v6(20.59,36.4) ; v6(20.99,36) v6(21.39,36) 21.71,36 ; v1(23.79,36) 24.18,36 v6(24.2,36.03) ; v1(22.99,22.4) v1(23.39,22.4) ; v1(22.99,22.4) v6(22.99,22.8) ; v1(22.99,22.4) v1(22.59,22.4) ; v1(23.39,22.4) v1(23.39,22) ; v6(21.33,33.61) v6(21.33,33.99) 21.33,34 ; v6(21.33,33.61) v6(21.03,33.61) ; v1(34.59,36.4) 34.6,36.4 v6(34.6,37.2) ; v6(35.39,36) v6(35.39,36.4) ; v6(35.39,36) v6(35.79,36) v6(35.79,36.4) v6(35.39,36.4) ; v1(23.39,28.8) v1(23.79,28.8) ; v1(23.39,28.8) 23.39,29.15 ; 27.79,23.6 U1000.AT20 ; U1000.AE22 v6(28.99,28.4) ; 24.6,29.61 v1(24.59,29.6) ; v1(22.99,23.2) v1(22.99,23.6) v1(22.99,24) ; v1(22.99,23.2) v6(22.99,22.8) ; v1(28.99,30) v1(28.99,29.6) ; v1(28.99,30) v6(28.59,30) ; v1(28.99,30) v1(29.39,29.6) ; v1(21.79,25.6) v1(21.79,26) ; v1(21.79,25.6) 22.19,25.6 ; v6(26.99,36.4) v5(26.99,36.03) ; v6(26.99,36.4) v6(26.99,36.8) ; v6(28.59,26.4) 28.59,26.88 ; v6(35.05,37.2) 34.99,37.26 U1000.B38 ; v6(35.05,37.2) v6(34.6,37.2) ; v6(35.05,37.2) v1(35.39,37.2) 35.81,37.2 ; U3800.P10 10.13,32.43 v5(10.43,32.12) ; U3800.P10 v6(10.11,32.4) ; U3800.P10 10.09,32.43 ; v1(9.29,31.78) 9.15,31.78 8.87,32.06 ; 21,34 U1000.L3 v6(20.59,34) ; 21,34 21.33,34 ; 21,34 v6(21,34) 21.03,33.97 v6(21.03,33.61) ; 24.6,36 24.59,36 v6(24.58,36) 24.23,36 v6(24.2,36.03) ; 24.6,36 24.6,35.61 ; 20.99,32.01 v6(20.99,32) ; 20.99,32.01 v6(20.59,32.01) ; 22.99,30.11 22.99,30.07 ; 22.99,30.07 v5(22.76,30.31) ; 22.99,30.07 v1(22.99,30) ; v5(13.83,38.12) 13.83,37.86 14.07,37.63 v6(14.09,37.63) ; v1(23.39,30) v1(23.79,30) ; v1(23.39,30) v1(22.99,30) ; v1(31.39,35.2) v1(31.39,35.6) ; v1(22.59,32) 22.59,32.01 22.19,32.01 ; v1(22.59,32) v6(22.59,31.6) ; v1(22.59,32) 22.96,32 22.99,32.04 ; v1(22.59,32) 22.59,32.4 ; v6(20.99,36.8) U1000.D4 ; 22.99,32.04 v1(22.99,32.4) ; 22.19,25.6 v1(22.19,25.2) v1(22.19,24.8) v1(21.79,24.8) 21.46,24.8 ; 22.19,25.6 22.26,25.6 v5(22.32,25.54) 22.37,25.54 ; 22.19,25.6 22.19,26 ; v1(23.39,34.8) v1(22.99,34.8) ; v6(29.39,23.2) v1(29.39,23.6) U1000.AU25 v6(29.79,23.2) ; v6(29.39,23.2) v6(29.79,23.2) ; 35.81,37.2 v1(36.19,37.2) 36.2,37.2 ; v1(33.79,36) v1(34.19,36) v1(34.19,35.6) ; v1(33.79,36) v6(33.79,36.4) ; v1(22.19,31.6) 22.19,32.01 ; v1(22.19,31.6) v6(22.19,31.2) ; v1(22.19,31.6) v6(22.59,31.6) ; 22.19,32.01 22.19,32.4 ; v1(27.39,27.6) v6(27.39,28) ; v1(32.19,27.6) 31.86,27.6 31.82,27.64 ; 30.45,47.69 30.18,47.42 v6(30.18,47.3) 29.93,47.06 ; v5(28.6,31.23) v5(28.19,31.23) ; v6(30.19,29.2) v6(29.79,29.2) ; v6(29.79,29.2) v6(29.39,29.2) ; 22.19,36.8 22.59,36.8 v1(22.59,36.8) ; 22.19,36.8 21.79,36.8 ; v6(26.19,28) v1(26.19,28.4) U1000.AE15 v1(25.39,28.4) v6(25.39,28.8) ; 33.4,27.2 v1(34.19,27.2) ; v6(21.39,29.2) 21.39,28.8 v6(21.41,28.79) ; v6(20.19,38) v6(20.59,38) ; v6(30.19,35.98) v6(29.87,35.98) ; v1(30.18,48.9) 30.18,49.05 30.46,49.32 ; v5(22.04,45.51) 21.59,45.05 21.59,44.52 22.6,44.52 22.7,44.61 ; v1(22.99,28) v1(23.39,28) ; v1(22.99,32.4) 22.59,32.4 ; v1(28.99,29.6) v1(29.39,29.6) ; 21.33,34 v5(21.33,34.36) ; v5(27.28,50.05) 27.58,49.75 v1(27.58,49.7) 27.58,49.65 v5(27.94,49.29) 28.23,49 v1(28.23,48.9) ; v1(10.89,25.93) 10.89,25.83 v1(10.74,25.67) 10.61,25.55 10.51,25.55 10.61,25.65 ; 24.13,29.09 24.19,29.02 v1(24.19,28.8) ; v1(23.39,26.8) v6(23.39,27.2) ; v6(34.6,37.2) U1000.C37 ; v6(28.99,33.6) v6(28.99,34) ; v6(28.99,33.6) 28.99,33.32 28.87,33.2 v6(28.59,33.2) ; 22.59,32.4 22.19,32.4 ; v1(24.59,28.4) v1(24.19,28.4) ; v1(24.19,28.4) v1(24.19,28.8) ; v6(28.59,33.2) v6(28.19,33.2) ; v6(28.19,33.2) 27.74,33.2 ; v1(29.39,29.6) v6(29.39,29.2) ; v1(21.4,36.8) 21.79,36.8 ; v1(26.59,25.2) v6(26.99,25.2) 26.99,25.59 27.01,25.6 v1(26.59,25.6) ; v1(26.59,25.2) v1(26.59,25.6) ; v1(24.19,33.2) U1000.N12 ; v6(24.2,36.41) v6(24.2,36.03) ; v5(28.24,29.25) 28.19,29.29 ; v1(27.79,35.6) v1(28.19,35.6) ; v1(23.39,28) v6(23.39,27.2) ; v1(23.79,28.8) v1(24.19,28.8) ; v6(22.55,47.69) 22.55,47.93 v1(22.38,48.1) 22.09,47.82 v5(22.09,47.77) 22.17,47.69 v6(22.55,47.69) ; v6(22.55,47.69) v6(23.31,47.69) 23.82,47.69 ; v1(21.79,26) 22.19,26 ; 22.19,26 v1(22.19,26.4) ; 22.19,26 v5(22.22,25.94) ; 27.74,33.2 v5(27.68,33.26) ; v1(24.33,47.3) 24.23,47.3 v1(24.08,47.46) 23.95,47.58 23.95,47.69 24.05,47.59